# KiCad board pcb.kicad_pcb (continued)
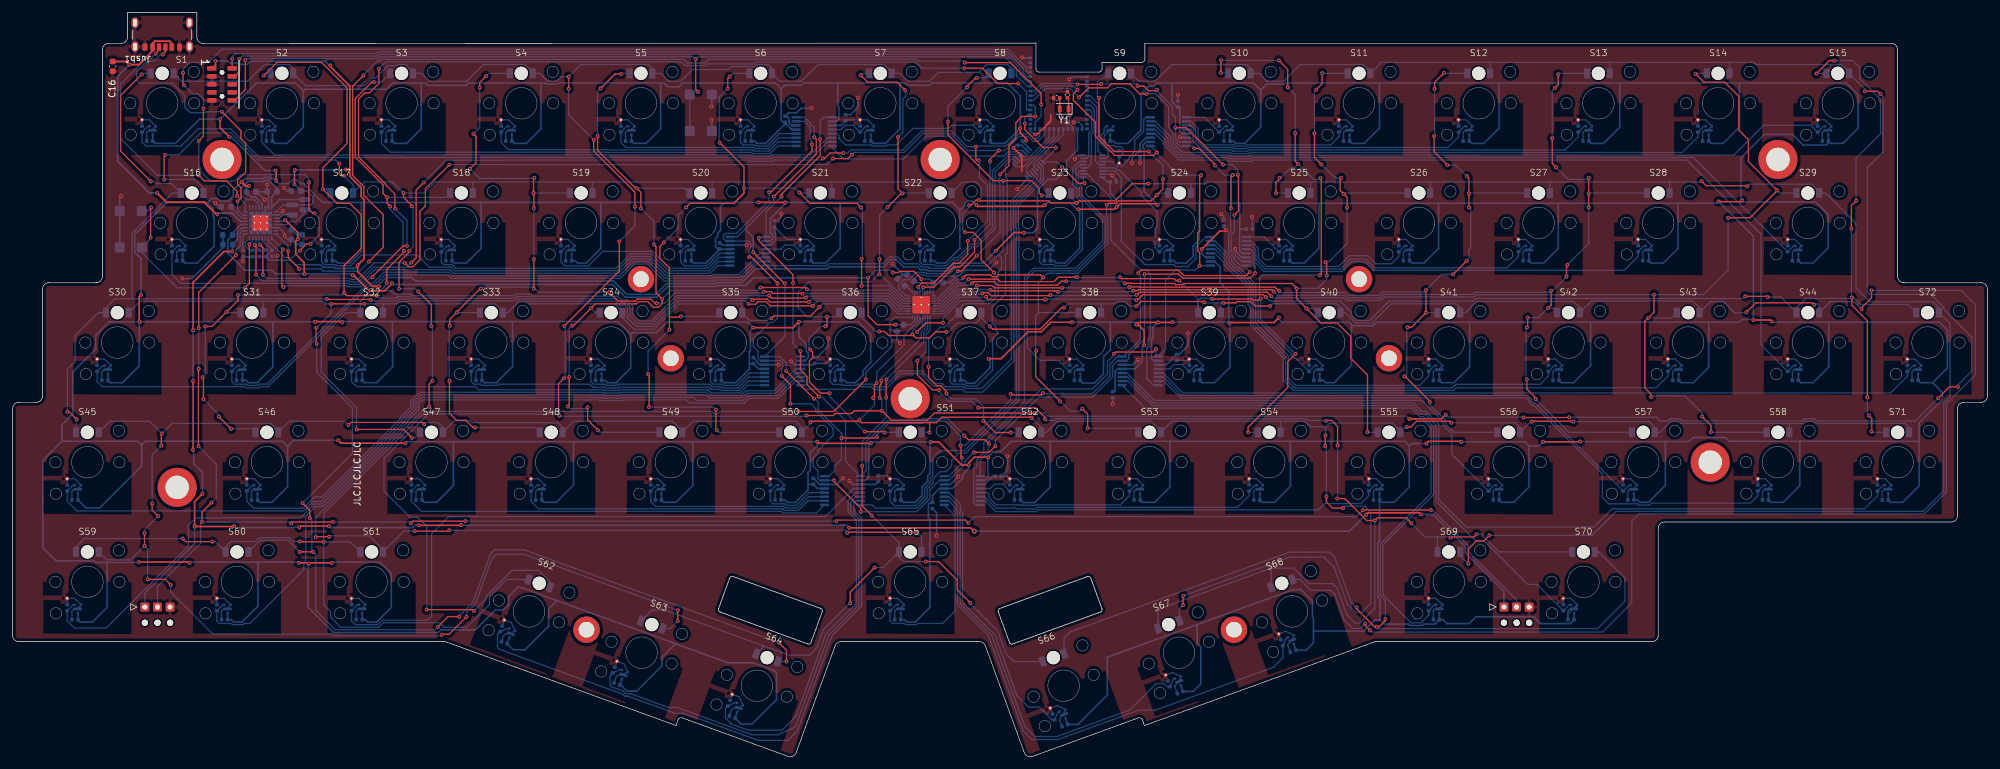
[diagram p0: board, top side]
## Routing (per net, layer and track width the routed paths; a pad name or vN(x,y) marks a point on that pad's centre or on a via; arc(x,y) is an arc through that point) (continued)
GND: length 643.3
  Top w0.25: v1(162.36,98.78) 162.65,98.78 164.39,100.51 ; 164.63,100.75 164.39,100.51 ; 164.39,100.51 164.8,100.92 164.8,101.86 ; 160.2,92.93 160.2,95.33 v1(158.88,96.65) ; v1(192.68,83.55) 192.55,83.42 191.64,83.42 v1(188.78,80.56)
  Bottom w0.2: Cvout18.2 69.22,82.1 TMR18.2 69.75,80.57 TMR18.4 69.1,80.42 68.79,80.11 Cvcc18.2 ; Cvout70.2 247.34,25.1 TMR70.2 247.88,23.57 TMR70.4 247.22,23.42 246.91,23.11 246.91,21.72 ; Cvcc52.2 159.04,42.11 159.35,42.42 TMR52.4 160,42.57 TMR52.2 159.47,44.1 Cvout52.2 ; Cvout58.2 278.22,44.1 TMR58.2 278.75,42.57 TMR58.4 278.1,42.42 277.79,42.11 Cvcc58.2 ; Cvout15.2 287.72,101.1 TMR15.2 288.25,99.57 TMR15.4 287.6,99.42 287.29,99.11 Cvcc15.2 ; Cvout41.2 225.97,63.1 TMR41.2 226.5,61.57 TMR41.4 225.85,61.42 225.54,61.11 Cvcc41.2 ; Cvout65.2 140.47,25.1 TMR65.2 141,23.57 TMR65.4 140.35,23.42 140.04,23.11 Cvcc65.2 ; Cvout42.2 244.97,63.1 TMR42.2 245.5,61.57 TMR42.4 244.85,61.42 244.54,61.11 Cvcc42.2 ; Cvout25.2 202.22,82.1 TMR25.2 202.75,80.57 TMR25.4 202.1,80.42 201.79,80.11 Cvcc25.2 ; Cvcc72.2 301.54,61.11 301.85,61.42 TMR72.4 302.5,61.57 TMR72.2 301.97,63.1 Cvout72.2 ; Cvcc48.2 83.04,42.11 83.35,42.42 TMR48.4 84,42.57 TMR48.2 83.47,44.1 Cvout48.2 ; Cvcc62.2 78,19.29 78.44,19.5 TMR62.4 79.15,19.64 TMR62.2 79.17,21.26 Cvout62.2 ; Cvout59.2 9.84,25.1 TMR59.2 10.38,23.57 TMR59.4 9.72,23.42 9.41,23.11 Cvcc59.2 ; Cvcc66.2 166.26,5.64 166.26,6.02 TMR66.4 166.86,6.81 TMR66.2 165.84,8.07 Cvout66.2 ; Cvcc5.2 97.29,99.11 97.6,99.42 TMR5.4 98.25,99.57 TMR5.2 97.72,101.1 Cvout5.2 ; Cvout27.2 240.22,82.1 TMR27.2 240.75,80.57 TMR27.4 240.1,80.42 239.79,80.11 Cvcc27.2 ; Cvcc61.2 54.54,23.11 54.85,23.42 TMR61.4 55.5,23.57 TMR61.2 54.97,25.1 Cvout61.2 ; Cvcc1.2 21.29,99.11 21.6,99.42 TMR1.4 22.25,99.57 TMR1.2 21.72,101.1 Cvout1.2 ; Cvout32.2 54.97,63.1 TMR32.2 55.5,61.57 TMR32.4 54.85,61.42 54.54,61.11 Cvcc32.2 ; Cvcc34.2 92.54,61.11 92.85,61.42 TMR34.4 93.5,61.57 TMR34.2 92.97,63.1 Cvout34.2 ; 37.91,40.72 37.91,42.11 38.23,42.42 TMR46.4 38.88,42.57 TMR46.2 38.34,44.1 Cvout46.2 ; Cvout4.2 78.72,101.1 TMR4.2 79.25,99.57 TMR4.4 78.6,99.42 78.29,99.11 Cvcc4.2 ; Cvout26.2 221.22,82.1 TMR26.2 221.75,80.57 TMR26.4 221.1,80.42 220.79,80.11 Cvcc26.2 ; Cvcc44.2 282.54,61.11 282.85,61.42 TMR44.4 283.5,61.57 TMR44.2 282.97,63.1 Cvout44.2 ; Cvout64.2 115.35,9.46 TMR64.2 115.32,7.84 TMR64.4 114.62,7.7 114.17,7.49 Cvcc64.2 ; LEDDR1.27 LEDDR1.26 143.25,72.72 LEDDR1.33 144.85,72.32 LEDDR1.30 LEDDR1.31 ; Cvcc8.2 154.29,99.11 154.6,99.42 TMR8.4 155.25,99.57 TMR8.2 154.72,101.1 Cvout8.2 ; Cvout69.2 225.97,25.1 TMR69.2 226.5,23.57 TMR69.4 225.85,23.42 225.54,23.11 Cvcc69.2 ; Cvout54.2 197.47,44.1 TMR54.2 198,42.57 TMR54.4 197.35,42.42 197.04,42.11 Cvcc54.2 ; Cvout20.2 107.22,82.1 TMR20.2 107.75,80.57 TMR20.4 107.1,80.42 106.79,80.11 Cvcc20.2 ; Cvout10.2 192.72,101.1 TMR10.2 193.25,99.57 TMR10.4 192.6,99.42 192.29,99.11 Cvcc10.2 ; Cvcc17.2 49.79,80.11 50.1,80.42 TMR17.4 50.75,80.57 TMR17.2 50.22,82.1 Cvout17.2 ; Cvout33.2 73.97,63.1 TMR33.2 74.5,61.57 TMR33.4 73.85,61.42 73.54,61.11 Cvcc33.2 ; Cvout12.2 230.72,101.1 TMR12.2 231.25,99.57 TMR12.4 230.6,99.42 230.29,99.11 Cvcc12.2 ; Cvcc39.2 187.54,61.11 187.85,61.42 TMR39.4 188.5,61.57 TMR39.2 187.97,63.1 Cvout39.2 186.6,62.9 C28.2 184.83,62.91 184.83,62.95 184.98,63.1 ; Cvcc28.2 258.79,80.11 259.1,80.42 TMR28.4 259.75,80.57 TMR28.2 259.22,82.1 Cvout28.2 ; Cvcc21.2 125.79,80.11 126.1,80.42 TMR21.4 126.75,80.57 TMR21.2 126.22,82.1 Cvout21.2 122.93,82.1 C13.2 ; Cvcc23.2 163.79,80.11 164.1,80.42 TMR23.4 164.75,80.57 TMR23.2 164.22,82.1 Cvout23.2 ; 256.41,40.72 256.41,42.11 256.73,42.42 TMR57.4 257.38,42.57 TMR57.2 256.85,44.1 Cvout57.2 ; Cvcc31.2 35.54,61.11 35.85,61.42 TMR31.4 36.5,61.57 TMR31.2 35.97,63.1 Cvout31.2 ; Cvcc71.2 296.79,42.11 297.1,42.42 TMR71.4 297.75,42.57 TMR71.2 297.22,44.1 Cvout71.2 ; Cvcc45.2 9.41,42.11 9.72,42.42 TMR45.4 10.38,42.57 TMR45.2 9.84,44.1 Cvout45.2 ; Cvout68.2 202.09,19.87 TMR68.2 203.11,18.61 TMR68.4 202.45,17.76 202.45,17.6 Cvcc68.2 ; Cvcc19.2 87.79,80.11 88.1,80.42 TMR19.4 88.75,80.57 TMR19.2 88.22,82.1 Cvout19.2 ; Cvout55.2 216.47,44.1 TMR55.2 217,42.57 TMR55.4 216.35,42.42 216.04,42.11 Cvcc55.2 ; C12.2 132.4,101.1 Cvout7.2 135.72,101.1 TMR7.2 136.25,99.57 TMR7.4 135.6,99.42 135.29,99.11 Cvcc7.2 ; Cvcc56.2 235.04,42.11 235.35,42.42 TMR56.4 236,42.57 TMR56.2 235.47,44.1 Cvout56.2 ; Cvout24.2 183.22,82.1 TMR24.2 183.75,80.57 TMR24.4 183.1,80.42 182.79,80.11 Cvcc24.2 ; Cvout40.2 206.97,63.1 TMR40.2 207.5,61.57 TMR40.4 206.85,61.42 206.54,61.11 Cvcc40.2 ; Cvcc37.2 149.54,61.11 149.85,61.42 TMR37.4 150.5,61.57 TMR37.2 149.97,63.1 Cvout37.2 ; Cvout47.2 64.47,44.1 TMR47.2 65,42.57 TMR47.4 64.35,42.42 64.04,42.11 Cvcc47.2 ; Cvcc63.2 95.87,12.74 96.32,12.95 TMR63.4 97.02,13.09 TMR63.2 97.05,14.71 Cvout63.2 ; Cvcc22.2 144.79,80.11 145.1,80.42 TMR22.4 145.75,80.57 TMR22.2 145.22,82.1 Cvout22.2 ; Cvcc3.2 59.29,99.11 59.6,99.42 TMR3.4 60.25,99.57 TMR3.2 59.72,101.1 Cvout3.2 ; Cvcc14.2 268.29,99.11 268.6,99.42 TMR14.4 269.25,99.57 TMR14.2 268.72,101.1 Cvout14.2 ; Cvcc51.2 140.04,42.11 140.35,42.42 TMR51.4 141,42.57 TMR51.2 140.47,44.1 Cvout51.2 138.8,44.6 C15.1 ; Cvout60.2 33.59,25.1 TMR60.2 34.13,23.57 TMR60.4 33.48,23.42 33.16,23.11 Cvcc60.2 ; Cvcc53.2 178.04,42.11 178.35,42.42 TMR53.4 179,42.57 TMR53.2 178.47,44.1 Cvout53.2 ; Cvout30.2 14.6,63.1 TMR30.2 15.13,61.57 TMR30.4 14.47,61.42 14.16,61.11 Cvcc30.2 ; Cvcc43.2 263.54,61.11 263.85,61.42 TMR43.4 264.5,61.57 TMR43.2 263.97,63.1 Cvout43.2 ; Cvcc38.2 168.54,61.11 168.85,61.42 TMR38.4 169.5,61.57 TMR38.2 168.97,63.1 Cvout38.2 ; TMR9.2 174.25,99.57 TMR9.4 ; Cvcc49.2 102.04,42.11 102.35,42.42 TMR49.4 103,42.57 TMR49.2 102.47,44.1 Cvout49.2 ; Cvcc6.2 116.29,99.11 116.6,99.42 TMR6.4 117.25,99.57 TMR6.2 116.72,101.1 Cvout6.2 ; Cvout35.2 111.97,63.1 TMR35.2 112.5,61.57 TMR35.4 111.85,61.42 111.54,61.11 Cvcc35.2 ; TMR9.4 174.14,99.42 173.37,98.66 173.37,98.64 173.29,98.56 Cvcc9.2 173.29,97.41 173.71,97 174.91,97 175.08,96.83 175.94,96.83 176.29,96.48 176.29,95.8 Cvout9.2 ; TMR9.4 173.81,99.42 ; Cvout13.2 249.72,101.1 TMR13.2 250.25,99.57 TMR13.4 249.6,99.42 249.29,99.11 Cvcc13.2 ; Cvout29.2 282.97,82.1 TMR29.2 283.5,80.57 TMR29.4 282.85,80.42 282.54,80.11 Cvcc29.2 ; Cvout16.2 26.47,82.1 TMR16.2 27,80.57 TMR16.4 26.35,80.42 26.04,80.11 Cvcc16.2 ; Cvcc50.2 121.04,42.11 121.35,42.42 TMR50.4 122,42.57 TMR50.2 121.47,44.1 Cvout50.2 ; Cvout67.2 184.14,13.32 TMR67.2 185.16,12.06 TMR67.4 184.5,11.21 184.5,11.05 Cvcc67.2 ; Cvcc11.2 211.29,99.11 211.6,99.42 TMR11.4 212.25,99.57 TMR11.2 211.72,101.1 Cvout11.2 ; Cvcc36.2 130.54,61.11 130.85,61.42 TMR36.4 131.5,61.57 TMR36.2 130.97,63.1 Cvout36.2 ; Cvcc2.2 40.29,99.11 40.6,99.42 TMR2.4 41.25,99.57 TMR2.2 40.72,101.1 Cvout2.2
  Bottom w0.25: Cvout36.2 129.12,62.42 C14.2 127.11,62.2 MUXB3.3 124.12,62.2 v1(123.58,62.74) ; v1(191.87,86.13) 192.25,85.75 C27.1 ; MUXB8.3 154.31,43.2 155.62,44.51 C29.1 C29.2 ; MUXB1.14 123.65,100.2 123.28,100.57 123.28,101.33 122.95,101.65 C4.1 123.18,102.2 124.46,102.2 125.19,102.93 v1(126.86,102.93) ; MUXB7.3 183.16,62.2 C28.1 185.22,63.86 186.63,65.27 v1(186.63,67.18) ; C34.2 140.36,66.13 v1(140.86,65.63) ; C18.1 175.21,91.58 v1(174.55,92.24) 174.32,92.47 MUXA2.15 ; v1(129.49,66.39) 129.49,65.13 127.74,63.38 C14.1 ; v1(178.65,62.99) 177.85,62.2 MUXB7.14 ; v1(196.77,85.65) 196.83,85.59 C20.1 ; C27.2 192.25,83.98 v1(192.68,83.55) ; C19.1 184.96,105.02 v1(184.99,105.05) ; v1(159.48,90.06) 161.07,91.66 MUXA1.8 ; v1(167.73,107.52) 168.13,107.92 M1.39 ; v1(110.94,103.21) 111,103.27 SW1.1 ; 139.23,44.17 Cvout51.2 ; 43.3,82.75 v1(43.17,82.62) ; v1(43.17,82.62) 43.17,83.08 42.28,83.97 PMIC1.6 40.12,83.97 ; v1(43.17,82.62) 43.71,82.08 C8.2 45.05,81.32 C9.2 ; C29.2 157.96,45.51 v1(157.96,47.7) ; C29.2 157.89,44.51 Cvout52.2 ; 40.62,89.53 PMIC1.31 PMIC1.30 40.12,85.47 ; C17.2 32.82,87.29 v1(32.2,87.91) ; MUXB6.3 189.4,79.25 188.78,79.87 v1(188.78,80.56) ; v1(139.68,78.21) 141.33,76.56 C31.2 141.2,76.56 C32.1 ; v1(43.09,90.29) 43.59,89.79 C23.2 ; C6.1 117.6,63.33 118.23,62.71 118.23,62.57 118.59,62.2 MUXB3.14 121.58,62.2 v1(121.59,62.19) ; MUXA2.8 169.2,95.47 v1(168.6,94.87) ; C24.2 40.44,90.82 v1(40.43,90.83) ; C21.1 174.64,56.02 v1(174.62,56) ; C5.1 112.61,81.2 MUXB2.14 116.53,81.2 v1(116.53,81.19) ; C13.1 121.36,85.06 122.05,85.76 v1(122.05,86.2) ; M1.1 160.35,110.92 v1(160.25,111.02) ; 33.38,81.41 33.38,82.94 ; v1(177.7,94.21) 177.7,95.03 178.79,96.12 C26.1 178.99,97.29 179.94,98.25 MUXB5.3 ; v1(162.36,98.78) 162.12,98.78 161.55,99.34 M1.16 ; MUXB1.3 131.5,100.2 C12.2 ; 38.09,79.34 Rvset1.1 36.64,78.71 v1(36.53,78.6) ; MUXB2.3 120.35,81.2 121.12,81.97 121.12,82.96 120.93,83.16 C13.2 ; C30.2 33.39,80.8 28.46,75.87 v1(26.94,75.87) ; v1(132.84,43.77) 133.41,43.2 MUXB4.3 136.99,43.2 C15.2 ; v1(146.67,35) 146.67,38.7 C22.1 ; 148.99,75.44 149.59,76.05 149.61,76.05 149.96,76.4 150.34,76.4 151.17,77.22 154.99,77.22 v1(156.2,78.43) ; 148.99,75.44 148.79,75.24 ; 148.99,75.44 148.79,75.24 ; 246.91,21.72 246.91,22.61 247.73,23.42 TMR70.4 248.38,23.92 TMR70.2 ; SW1.1 111,101.03 v1(110.96,101.07) ; v1(42.07,79.51) 41.97,79.41 C11.1 ; MUXB6.14 195.13,79.25 194.1,80.27 v1(194.1,80.59) ; v1(150.15,44.46) 148.89,43.2 MUXB8.14 ; v1(131.8,44.19) 130.81,43.2 MUXB4.14 128.11,43.2 127.13,44.17 C7.1 ; SW2.1 SW2.1 17,88.75 v1(17.22,88.97) ; MUXA1.15 160.19,97.05 C3.1 159.29,97.05 v1(158.88,96.65) ; 134.36,101.29 Cvout7.2 ; v1(168.42,100.69) 169.28,100.69 169.8,100.18 M1.27 ; 38.76,89.66 v1(40.01,88.41) ; 148.79,75.24 C33.2 ; v1(134.2,104.61) 134.2,103.09 133.01,101.9 C12.1 ; C26.2 178.99,94.24 v1(179,94.23) ; C25.2 40.39,89.66 ; 40.62,85.97 PMIC1.2 42.28,85.97 42.93,86.63 v1(42.93,86.63) ; v1(185.31,98.36) 185.42,98.25 MUXB5.14
VCCS: length 2599.1
  Top w0.25: v1(62.36,49.74) 52.17,49.74 v1(51.72,50.2) ; v1(28.09,30.75) 27.98,30.86 v1(20.07,30.86) ; v1(48.01,69.01) 48.04,69.05 52.24,69.05 v1(52.31,68.97) ; v1(276.35,69.3) 279.03,69.3 v1(279.26,69.07) ; v1(270.82,88.13) 270.86,88.09 274.36,88.09 v1(274.56,88.3) ; v1(45.46,30.73) 46.9,30.73 v1(47,30.63) 47.11,30.73 v1(50.65,30.73) ; v1(169.17,86.89) 174.92,86.89 v1(175.25,87.22) 175.8,87.77 181.6,87.77 v1(181.77,87.6) ; v1(122.67,87.98) v1(118.38,87.98) ; v1(229.97,49.96) 229.89,50.04 224.8,50.04 v1(224.44,49.68) ; v1(193.16,68.82) 193.25,68.91 200.25,68.91 v1(201.03,69.69) ; v1(41.85,91.43) 41.85,92.94 v1(41.75,93.04) ; v1(179.63,65.3) 179.63,67.63 178.68,68.59 v1(178.38,68.59) 178.72,68.92 v1(181.82,68.92) 184.13,68.92 v1(184.16,68.95) ; v1(20.18,69.01) 20.1,69.09 20.1,73 v1(20.39,73.29) ; v1(154.92,63.16) 156.91,63.16 161.19,67.44 163.31,67.44 164.82,68.95 v1(168.2,68.95) ; v1(159.98,99.77) 159.98,99.02 160.94,98.06 v1(160.94,97.8) ; v1(117.58,68.09) 123.9,68.09 v1(124.83,69.02) ; v1(32.94,101.2) 32.94,99.84 v1(34.41,98.37) ; v1(242.97,49.96) 248.79,49.96 v1(248.83,50.01) ; v1(153.01,87.55) 153.21,87.35 163.66,87.35 v1(163.85,87.53) ; v1(136.25,49.77) 136.19,49.71 128.02,49.71 v1(127.75,49.98) ; v1(154.87,47.5) 154.84,47.53 152.72,47.53 151.78,46.6 v1(151.78,46.28) 150.67,46.28 147.02,49.93 v1(145.78,49.93)
  Top w0.3: v1(37.55,90.62) 36.97,90.62 v1(36.35,91.24)
  Bottom w0.25: 194.78,87.85 207.38,87.85 ; 194.78,87.85 188.39,87.85 ; 194.78,87.85 194.8,87.83 194.8,87.16 ; 207.38,87.85 226.39,87.85 ; 207.38,87.85 207.38,87.85 207.38,80.67 205.05,78.35 203.13,78.35 Cvcc25.1 TMR25.3 ; 60.31,69.05 60.31,61.86 57.8,59.35 55.88,59.35 Cvcc32.1 TMR32.3 ; 60.31,69.05 79.36,69.05 ; 60.31,69.05 52.39,69.05 v1(52.31,68.97) ; TMR30.3 Cvcc30.1 15.5,59.35 17.43,59.35 20.11,62.03 20.11,68.94 v1(20.18,69.01) ; v1(151.78,46.28) 151.78,45.7 150.82,44.75 150.82,44.17 149.2,42.55 MUXB8.13 147.15,42.55 146.03,41.43 146.03,40.34 ; v1(160.94,97.8) 160.87,97.73 C3.2 ; 74.37,87.98 74.38,87.98 74.38,80.67 72.05,78.35 70.13,78.35 Cvcc18.1 TMR18.3 ; 74.37,87.98 55.42,87.98 ; 74.37,87.98 93.37,87.98 ; 108.11,49.98 v1(127.75,49.98) 127.75,49.35 126.65,48.25 126.65,45.45 126.27,45.08 126.27,43.24 ; 108.11,49.98 107.98,49.85 107.98,43.03 105.3,40.35 103.38,40.35 Cvcc49.1 TMR49.3 ; 108.11,49.98 69.98,49.98 ; 288.31,68.95 288.31,61.86 285.8,59.35 283.88,59.35 Cvcc44.1 TMR44.3 ; 288.31,68.95 305.89,68.95 307.15,67.69 307.15,61.69 304.8,59.35 ; 288.31,68.95 279.38,68.95 v1(279.26,69.07) ; 245.37,87.85 264.38,87.85 ; 245.37,87.85 245.38,87.84 245.38,80.67 243.05,78.35 241.13,78.35 Cvcc27.1 TMR27.3 ; 245.37,87.85 226.39,87.85 ; 264.38,87.85 264.38,87.85 264.38,80.67 262.05,78.35 260.13,78.35 Cvcc28.1 TMR28.3 ; 264.38,87.85 270.54,87.85 v1(270.82,88.13) 276.35,82.6 v1(276.35,69.3) 276.27,69.38 274.5,69.38 274.06,68.95 269.25,68.95 ; TMR34.3 Cvcc34.1 94.07,59.72 94.45,59.35 95.4,59.35 95.4,59.35 95.8,59.35 95.9,59.45 95.91,59.45 98.13,61.67 98.13,67.02 ; 206.51,19.88 206.53,19.9 214.5,19.9 216.28,21.68 217.08,21.68 ; 206.51,19.88 206.51,21.94 206.34,22.11 206.34,24.67 204.51,26.5 203.31,26.5 188.06,20.95 ; 206.51,19.88 206.51,18.03 205.36,16.87 Cvcc68.1 TMR68.3 ; 93.37,87.98 112.54,87.98 112.78,87.74 ; 93.37,87.98 93.38,87.98 93.38,80.67 91.05,78.35 89.7,78.35 89.32,78.72 Cvcc19.1 TMR19.3 ; 30.97,87.95 31.82,87.1 31.82,85.8 32.01,85.62 32.01,81.06 29.3,78.35 27.38,78.35 Cvcc16.1 TMR16.3 ; 30.97,87.95 24.46,87.95 19.37,82.87 19.37,80.06 20.39,79.04 v1(20.39,73.29) ; 30.97,87.95 31.61,88.59 32.48,88.59 32.87,88.2 34.33,88.2 35.03,88.9 35.03,89.92 v1(36.35,91.24) 36.87,91.76 39.77,91.76 39.96,91.96 40.9,91.96 41.09,91.76 41.52,91.76 v1(41.85,91.43) 42.32,90.96 43.88,90.96 44.46,91.55 45.02,91.55 45.6,90.96 46.22,90.96 49.2,87.98 55.42,87.98 ; 183.72,50.04 183.73,50.04 183.73,42.77 181.3,40.35 179.38,40.35 Cvcc53.1 TMR53.3 ; 183.72,50.04 202.85,50.04 ; 183.72,50.04 164.66,50.04 ; 46.15,105.72 44.92,106.95 38.69,106.95 v1(32.94,101.2) 29.68,101.2 25.82,97.35 22.63,97.35 Cvcc1.1 TMR1.3 ; 46.15,105.72 46.38,105.95 59.32,105.95 60.32,106.95 64.84,106.95 ; 46.15,105.72 46.15,99.95 43.55,97.35 41.63,97.35 Cvcc2.1 TMR2.3 ; 43.57,49.32 43.71,49.32 44.58,50.2 v1(51.72,50.2) 51.56,50.05 ; 43.57,49.32 43.66,49.23 43.66,42.83 41.18,40.35 39.25,40.35 Cvcc46.1 TMR46.3 ; 43.57,49.32 42.84,50.05 21.08,50.05 20.49,49.46 20.49,49.45 ; 79.36,69.05 96.1,69.05 98.13,67.02 ; 79.36,69.05 79.36,61.91 76.8,59.35 74.88,59.35 Cvcc33.1 TMR33.3 ; TMR29.3 Cvcc29.1 283.88,78.35 285.8,78.35 288.23,80.77 288.23,86.06 286.24,88.05 274.82,88.05 v1(274.56,88.3) 274.36,88.5 274.36,95.04 278.1,98.78 282.53,98.78 284.23,97.09 287.92,97.09 288.25,97.41 Cvcc15.1 ; 226.39,87.85 226.38,87.84 226.38,80.67 224.05,78.35 222.13,78.35 Cvcc26.1 TMR26.3 ; 262.28,50.01 262.37,49.92 262.37,43.04 259.68,40.35 258.32,40.35 257.95,40.72 Cvcc57.1 TMR57.3 ; 262.28,50.01 v1(248.83,50.01) 248.87,49.96 ; 262.28,50.01 266.15,50.01 266.8,50.65 271.9,50.65 272.51,50.05 283.97,50.05 ; 7.83,50.05 7.83,52.66 9.57,54.39 9.57,61.06 13.18,64.67 13.18,66.84 15.35,69.01 v1(20.18,69.01) ; 7.83,50.05 4.8,47.01 4.8,33.13 6.89,31.05 12.97,31.05 13.22,30.8 15.02,30.8 ; 7.83,50.05 19.89,50.05 20.49,49.45 ; TMR61.3 Cvcc61.1 55.98,21.72 56.37,21.34 57.79,21.34 60.13,23.67 60.13,29.02 58.29,30.85 50.77,30.85 v1(50.65,30.73) ; 235.91,106.95 235.98,106.88 235.98,99.77 233.55,97.35 231.63,97.35 Cvcc12.1 TMR12.3 ; 235.91,106.95 255.13,106.95 ; 235.91,106.95 216.99,106.95 ; TMR22.3 Cvcc22.1 146.32,78.72 146.7,78.35 148.05,78.35 150.38,80.67 150.38,86.83 ; 15.02,30.8 20,30.8 v1(20.07,30.86) ; 15.02,30.8 15,30.78 15,23.67 12.68,21.35 10.75,21.35 Cvcc59.1 TMR59.3 ; 184.07,106.95 196.99,106.95 198.13,105.81 198.14,105.81 ; 184.07,106.95 184.07,103.95 184.92,103.1 ; 184.07,106.95 181.7,106.95 181.15,106.4 180.31,106.4 179.14,105.23 179.14,99.45 177.03,97.35 175.18,97.35 174.8,97.72 Cvcc9.1 TMR9.3 ; 86.42,24.74 80.55,26.88 80.24,26.88 78.73,25.37 78.73,24.13 77.84,23.23 76.6,23.23 73.45,20.09 67.97,20.09 67.55,19.67 50.96,19.67 46.89,23.74 46.89,30.51 v1(47,30.63) ; 86.42,24.74 85.1,23.42 85.1,20.68 81.36,16.93 79.48,16.93 Cvcc62.1 TMR62.3 ; 86.42,24.74 105.23,17.89 ; 240.73,49.32 240.08,49.96 v1(229.97,49.96) ; 240.73,49.32 240.73,42.77 238.3,40.35 236.38,40.35 Cvcc56.1 TMR56.3 ; 240.73,49.32 242.32,49.32 v1(242.97,49.96) ; MUXB6.13 195.17,79.9 194.8,80.27 194.8,83.68 ; TMR50.3 Cvcc50.1 122.57,40.72 122.97,40.32 124.28,40.32 126.27,42.32 126.27,43.24 ; 231.31,68.95 250.5,68.95 ; 231.31,68.95 231.31,61.86 228.8,59.35 226.88,59.35 Cvcc41.1 TMR41.3 ; 231.31,68.95 216.54,68.95 215.99,68.4 212.74,68.4 ; 250.5,68.95 269.25,68.95 ; 250.5,68.95 250.5,62.05 247.8,59.35 245.88,59.35 Cvcc42.1 TMR42.3 ; v1(193.16,68.82) 193.08,68.9 193.08,73.87 191.71,75.24 191.71,77.72 190.83,78.6 MUXB6.2 ; v1(193.16,68.82) 193.25,68.73 193.25,61.79 190.8,59.35 188.88,59.35 Cvcc39.1 TMR39.3 ; v1(193.16,68.82) 193.16,68.91 193.12,68.95 v1(184.16,68.95) ; 269.25,68.95 269.25,61.8 266.8,59.35 264.88,59.35 Cvcc43.1 TMR43.3 ; Cvcc15.1 TMR15.3 ; Cvcc15.1 288.63,97.35 290.55,97.35 292.98,99.77 292.98,105.06 291.09,106.95 274.13,106.95 ; 126.27,43.24 126.3,43.21 C7.2 127.78,42.55 MUXB4.13 ; TMR6.3 Cvcc6.1 117.82,97.72 118.2,97.35 119.55,97.35 122.64,100.44 C4.2 122.33,100.69 122,101.02 122,106.04 ; 188.39,87.85 182.02,87.85 v1(181.77,87.6) 179.63,89.75 179.63,96.46 179.46,96.62 179.46,97.12 179.94,97.6 MUXB5.2 ; 188.39,87.85 188.38,87.84 188.38,82.08 187.42,81.12 187.42,79.42 186.35,78.35 184.7,78.35 184.32,78.72 Cvcc24.1 TMR24.3 ; 160.3,97.65 MUXA1.16 ; 122,106.04 121.09,106.95 106.38,106.95 105.77,106.34 104.01,106.34 103.4,106.95 102.88,106.95 ; 122,106.04 122.54,106.57 125.17,106.57 125.55,106.95 140.87,106.95 ; 116.95,62.36 116.95,61.5 115.54,60.09 115.54,60.09 115.43,59.97 115.43,59.97 114.85,59.4 114.85,59.4 114.8,59.35 112.88,59.35 112.69,59.54 Cvcc35.1 TMR35.3 ; 116.95,62.36 116.95,64.26 117.13,64.43 117.13,67.64 v1(117.58,68.09) 116.7,68.97 103.86,68.97 102.19,67.3 98.41,67.3 98.13,67.02 ; 116.95,62.36 116.96,62.37 C6.2 118.42,61.55 MUXB3.13 ; 122.64,100.56 123.65,99.55 MUXB1.13 ; 255.13,106.95 255.13,99.93 252.55,97.35 250.63,97.35 Cvcc13.1 TMR13.3 ; 255.13,106.95 274.13,106.95 ; TMR36.3 Cvcc36.1 132.07,59.72 132.45,59.35 133.8,59.35 133.99,59.54 133.99,59.54 135.03,60.57 135.03,61.33 136.23,62.54 136.23,67.06 134.26,69.02 v1(124.83,69.02) 124.83,66.66 126,65.49 126,64.92 ; 217.08,21.68 217.74,21.02 221.6,21.02 221.82,20.8 223.8,20.8 224.02,21.02 225.81,21.02 226.5,21.71 ; 217.08,21.68 217.09,21.69 217.09,22.37 217.08,22.38 217.08,24.96 216.72,25.32 216.72,33.9 217,34.18 Cvcc55.1 ; 55.42,87.98 55.38,87.94 55.38,80.24 53.48,78.35 51.63,78.35 51.25,78.72 Cvcc17.1 TMR17.3 ; MUXB2.13 112.3,80.55 C5.2 ; 89.26,49.98 89.02,49.98 89.05,49.95 89.05,43.09 86.3,40.35 84.38,40.35 Cvcc48.1 TMR48.3 ; 304.8,59.35 306.33,57.82 306.33,56.65 302.66,52.99 302.66,42.96 300.05,40.35 298.13,40.35 Cvcc71.1 TMR71.3 ; 304.8,59.35 302.88,59.35 Cvcc72.1 TMR72.3 ; 64.84,106.95 64.88,106.91 64.88,99.67 62.55,97.35 60.63,97.35 Cvcc3.1 TMR3.3 ; 64.84,106.95 65.54,106.95 65.93,106.56 72.04,106.56 72.43,106.95 83.86,106.95 ; 274.13,106.95 274.13,99.93 271.55,97.35 269.63,97.35 Cvcc14.1 TMR14.3 ; 194.8,87.16 194.8,87.59 ; 194.8,87.16 194.8,83.68 ; 20.49,49.45 20.49,46.12 13.82,39.45 11.64,39.45 Cvcc45.1 TMR45.3 ; C21.2 174.95,57.93 175.03,58.01 175.03,61.18 175.4,61.55 MUXB7.13 178.16,61.55 179.34,62.73 179.34,65.01 v1(179.63,65.3) ; TMR65.3 Cvcc65.1 141.57,21.72 141.95,21.35 143.3,21.35 145.63,23.67 145.63,37.67 145.37,37.93 145.37,40 145.7,40.32 C22.2 ; 174.29,68.95 174.29,64.59 173.21,63.51 173.21,62.2 173.18,62.17 173.18,60.72 171.74,59.28 169.94,59.28 Cvcc38.1 TMR38.3 ; 174.29,68.95 v1(168.2,68.95) ; 174.29,68.95 178.37,68.95 178.38,68.93 v1(178.38,68.59) ; 212.74,68.4 212.19,68.95 201.51,68.95 201.03,69.43 v1(201.03,69.69) ; 212.74,68.4 212.55,68.2 212.55,62.09 209.8,59.35 208.45,59.35 208.07,59.72 Cvcc40.1 TMR40.3 ; 202.85,50.04 202.85,42.9 200.3,40.35 198.38,40.35 Cvcc54.1 TMR54.3 ; 202.85,50.04 221.02,50.04 221.73,49.34 221.73,49.31 ; C5.2 112.23,80.53 110.05,78.35 108.13,78.35 Cvcc20.1 TMR20.3 ; C5.2 111.92,80.61 111.59,80.94 111.59,82.23 111.95,82.59 111.95,83.11 112.38,83.54 112.38,87.34 112.78,87.74 ; 221.73,49.31 221.73,42.77 219.3,40.35 217.38,40.35 Cvcc55.1 ; 221.73,49.31 222.1,49.68 223.18,49.68 ; 112.78,87.74 113.02,87.98 v1(118.38,87.98) ; 83.86,106.95 83.88,106.93 83.88,99.67 81.55,97.35 79.63,97.35 Cvcc4.1 TMR4.3 ; 83.86,106.95 84.56,106.95 84.71,106.8 86.55,106.8 86.7,106.95 102.88,106.95 ; 38.95,30.85 28.19,30.85 v1(28.09,30.75) ; 38.95,30.85 38.95,23.87 36.43,21.35 35.07,21.35 34.7,21.72 Cvcc60.1 TMR60.3 ; 38.95,30.85 45.34,30.85 v1(45.46,30.73) ; 126,65.23 126,64.35 126.32,64.02 126.32,63.32 125.85,62.85 MUXB3.2 ; TMR10.3 Cvcc10.1 193.82,97.72 194.2,97.35 195.55,97.35 198.14,99.94 198.14,105.81 ; TMR8.3 Cvcc8.1 155.25,97.41 155.32,97.35 157.55,97.35 v1(159.98,99.77) 159.98,104.92 157.94,106.95 145.88,106.95 145.5,106.57 142.07,106.57 141.69,106.95 140.87,106.95 ; 160.01,40.72 160.43,40.3 162.26,40.3 164.73,42.77 164.73,49.98 164.66,50.04 ; 131.3,87.98 v1(122.67,87.98) 122.67,87.78 120.29,85.4 120.29,83.16 120.67,82.78 120.67,82.17 120.35,81.85 MUXB2.2 ; 131.3,87.98 149.22,87.98 150.38,86.83 ; 131.3,87.98 131.38,87.91 131.38,80.67 129.05,78.35 127.13,78.35 Cvcc21.1 TMR21.3 ; 198.14,105.81 199.12,106.8 201.94,106.8 202.09,106.95 216.99,106.95 ; TMR11.3 Cvcc11.1 212.63,97.35 214.55,97.35 216.99,99.79 216.99,106.95 ; C20.2 194.85,83.73 194.8,83.68 ; v1(181.82,68.92) 181.04,68.15 181.04,66.47 180.96,66.38 180.96,66.38 180.8,66.22 180.8,63.17 181.13,62.85 MUXB7.2 ; TMR58.3 Cvcc58.1 279.13,40.35 281.05,40.35 283.72,43.02 283.72,50.05 283.97,50.05 ; MUXB5.13 185.67,98.9 185.3,99.27 185.3,103.07 185.27,103.1 C19.2 ; 140.87,106.95 140.88,106.94 140.88,99.67 138.55,97.35 136.63,97.35 Cvcc7.1 TMR7.3 ; 188.06,20.95 188.06,17.91 188.63,17.34 188.63,11.55 187.41,10.32 Cvcc67.1 TMR67.3 ; 188.06,20.95 173.78,15.75 173.78,9.75 169.11,5.07 Cvcc66.1 TMR66.3 ; TMR69.3 Cvcc69.1 227.07,21.72 227.71,21.09 231.22,21.09 232.31,22.17 241.49,22.17 242.58,21.09 247.25,21.09 247.88,21.71 Cvcc70.1 TMR70.3 ; TMR23.3 Cvcc23.1 165.32,78.72 165.7,78.35 167.05,78.35 169.4,80.69 169.4,86.67 v1(169.17,86.89) 168.95,86.89 167.89,87.95 164.27,87.95 v1(163.85,87.53) ; 69.98,49.98 62.6,49.98 v1(62.36,49.74) 62.47,49.85 ; 69.98,49.98 69.98,43.03 67.3,40.35 65.38,40.35 Cvcc47.1 TMR47.3 ; v1(154.92,63.16) 155.15,62.93 155.15,61.69 152.72,59.26 151.53,59.26 151.07,59.72 Cvcc37.1 TMR37.3 ; 222.08,49.68 223.18,49.68 ; 223.18,49.68 v1(224.44,49.68) ; 41.31,69.01 v1(48.01,69.01) ; 41.31,69.01 41.31,61.86 38.8,59.35 37.45,59.35 37.07,59.72 Cvcc31.1 TMR31.3 ; 41.31,69.01 v1(20.18,69.01) ; Cvcc55.1 TMR55.3 ; MUXA2.16 173.72,91.25 C18.2 174.25,89.45 175.25,88.45 v1(175.25,87.22) ; v1(34.41,98.37) 34.73,98.37 40.06,93.04 v1(41.75,93.04) ; 283.97,50.05 302.65,50.05 302.66,50.05 ; TMR51.3 Cvcc51.1 141.38,40.35 143.3,40.35 144.38,41.42 144.38,42.81 145.27,43.7 145.27,44.57 145.65,44.95 145.65,49.8 v1(145.78,49.93) 136.41,49.93 v1(136.25,49.77) 135.9,49.42 135.9,44.4 135.35,43.85 MUXB4.2 ; 105.23,17.89 113.55,14.87 117.53,14.87 120.86,13.65 121.28,13.23 121.28,9.03 117.39,5.13 115.65,5.13 Cvcc64.1 TMR64.3 ; 105.23,17.89 103.09,15.76 103.09,14.39 99.09,10.38 97.52,10.38 96.56,11.35 Cvcc63.1 TMR63.3 ; 164.66,50.04 158.54,50.04 156.9,48.4 155.7,48.4 154.87,47.57 v1(154.87,47.5) 154.82,47.45 154.82,44.36 154.31,43.85 MUXB8.2 ; Cvcc52.1 TMR52.3 ; 150.38,86.83 150.5,86.83 151.16,87.49 151.16,87.8 151.56,88.2 152.37,88.2 v1(153.01,87.55) ; TMR5.3 Cvcc5.1 98.63,97.35 100.55,97.35 102.88,99.67 102.88,106.95 102.88,106.95 ; MUXB1.2 130.81,100.85 131.18,101.22 131.18,103.06 130.99,103.25 130.99,106.95 ; v1(37.55,90.62) 37.07,90.14 C25.1 37.87,88.86 38.52,88.86 39.62,87.76 PMIC1.29
/AIN0: length 8.4
  Bottom w0.2: MUXA1.4 162.09,93.73 162.09,94.11 166.8,98.82 M1.23
/AIN1: length 9.6
  Bottom w0.2: M1.22 166.05,98.66 161.03,93.64 161.03,92.67 MUXA1.7
/AIN2: length 9.7
  Bottom w0.2: MUXA1.9 159.35,93.65 160.47,93.65 165.3,98.48 M1.21
/AIN3: length 7.5
  Bottom w0.2: M1.20 164.55,98.29 160.97,94.71 160.41,94.71 MUXA1.12
/AIN4: length 10.9
  Bottom w0.2: M1.35 171.05,104.92 172.5,103.47 172.5,98.93 172.31,98.74 172.31,96.16 MUXA2.9
/AIN5: length 12
  Bottom w0.2: MUXA2.12 172.44,93.97 171.91,94.51 171.91,98.91 172.1,99.1 172.1,103.12 171.05,104.17 M1.34
/AIN6: length 11.8
  Bottom w0.2: MUXA2.4 170.56,93.47 171.23,94.14 171.23,98.79 171.7,99.27 171.7,102.77 171.05,103.42 M1.33
/AIN7: length 9.2
  Bottom w0.2: MUXA2.7 170.56,94.97 170.83,95.24 170.83,98.96 171.3,99.44 171.3,102.42 171.05,102.67 M1.32
/ANA_01: length 117.2
  Bottom w0.2: TMR1.1 21.48,100.07 Cvout1.1 20.55,97.53 21.15,96.92 26.72,96.92 29.47,99.67 34.63,99.67 39.19,95.11 68.54,95.11 68.67,95.11 68.67,95.11 77.11,95.11 77.11,95.11 78.27,95.11 78.27,95.11 117,95.11 117.19,94.92 120.56,94.92 120.75,95.11 126.89,95.11 129.38,97.6 MUXB1.7
/ANA_02: length 95.9
  Bottom w0.2: TMR2.1 40.48,100.07 Cvout2.1 39.55,97.53 41.56,95.51 68.51,95.51 68.54,95.54 73.4,95.54 73.42,95.52 115.29,95.52 115.3,95.51 117.17,95.51 117.36,95.32 120.39,95.32 120.59,95.52 126.65,95.52 129.38,98.25 MUXB1.6